# KiCad board signalmesh.kicad_pcb
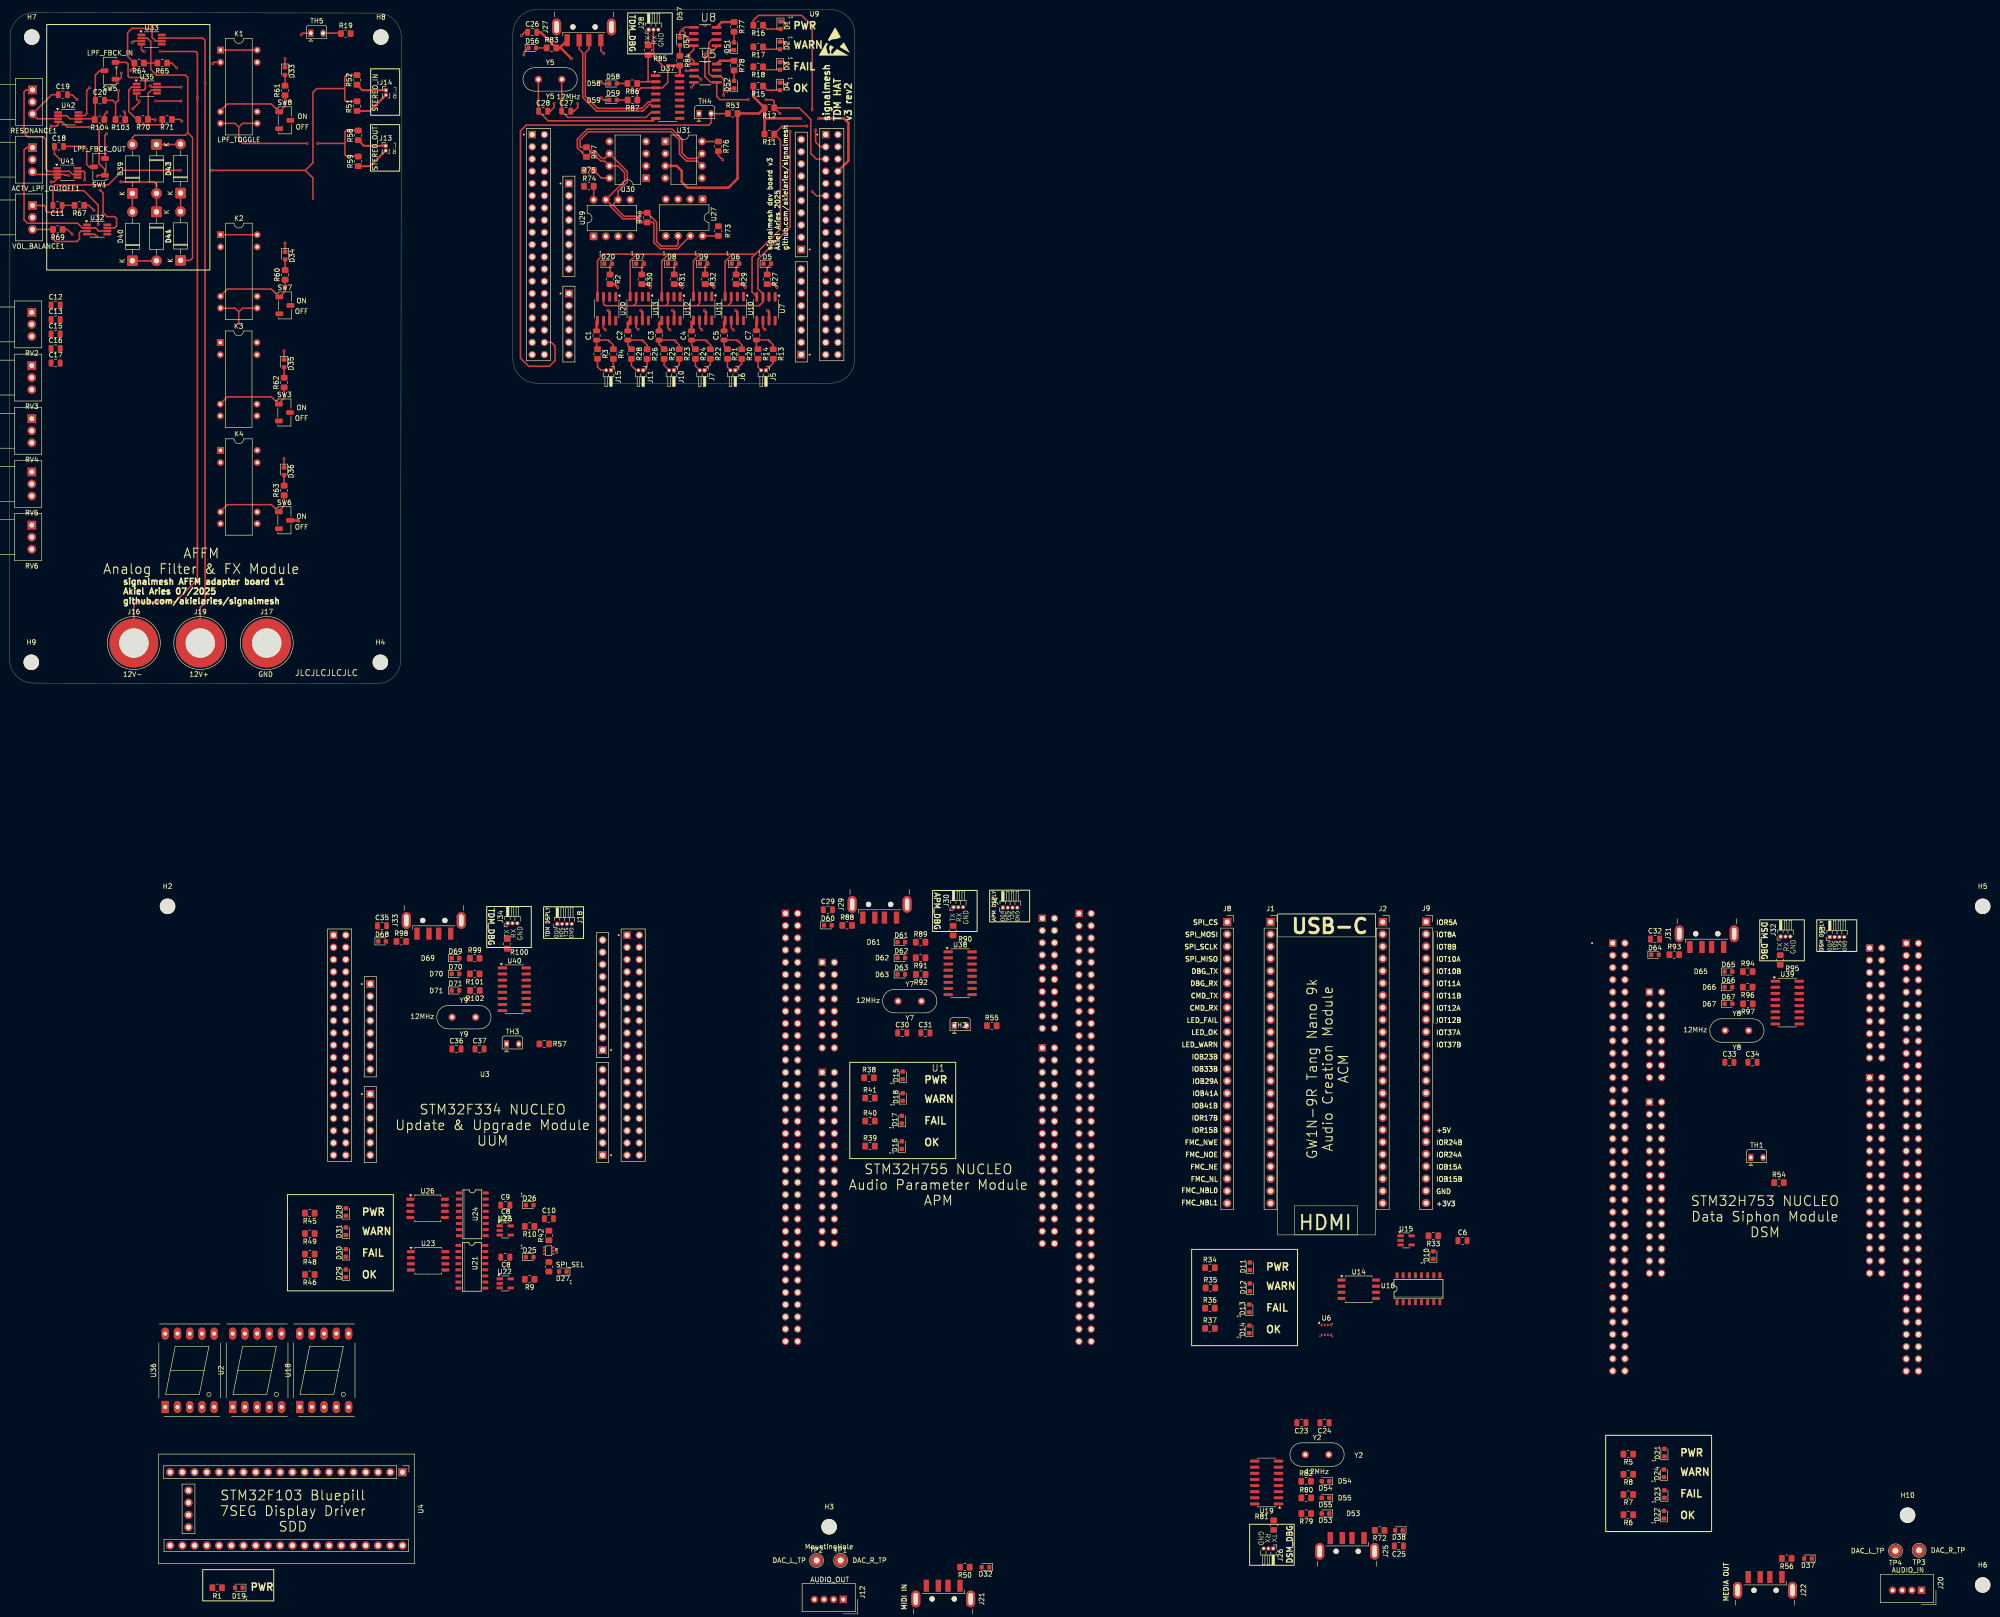
[diagram p0: board, top side]
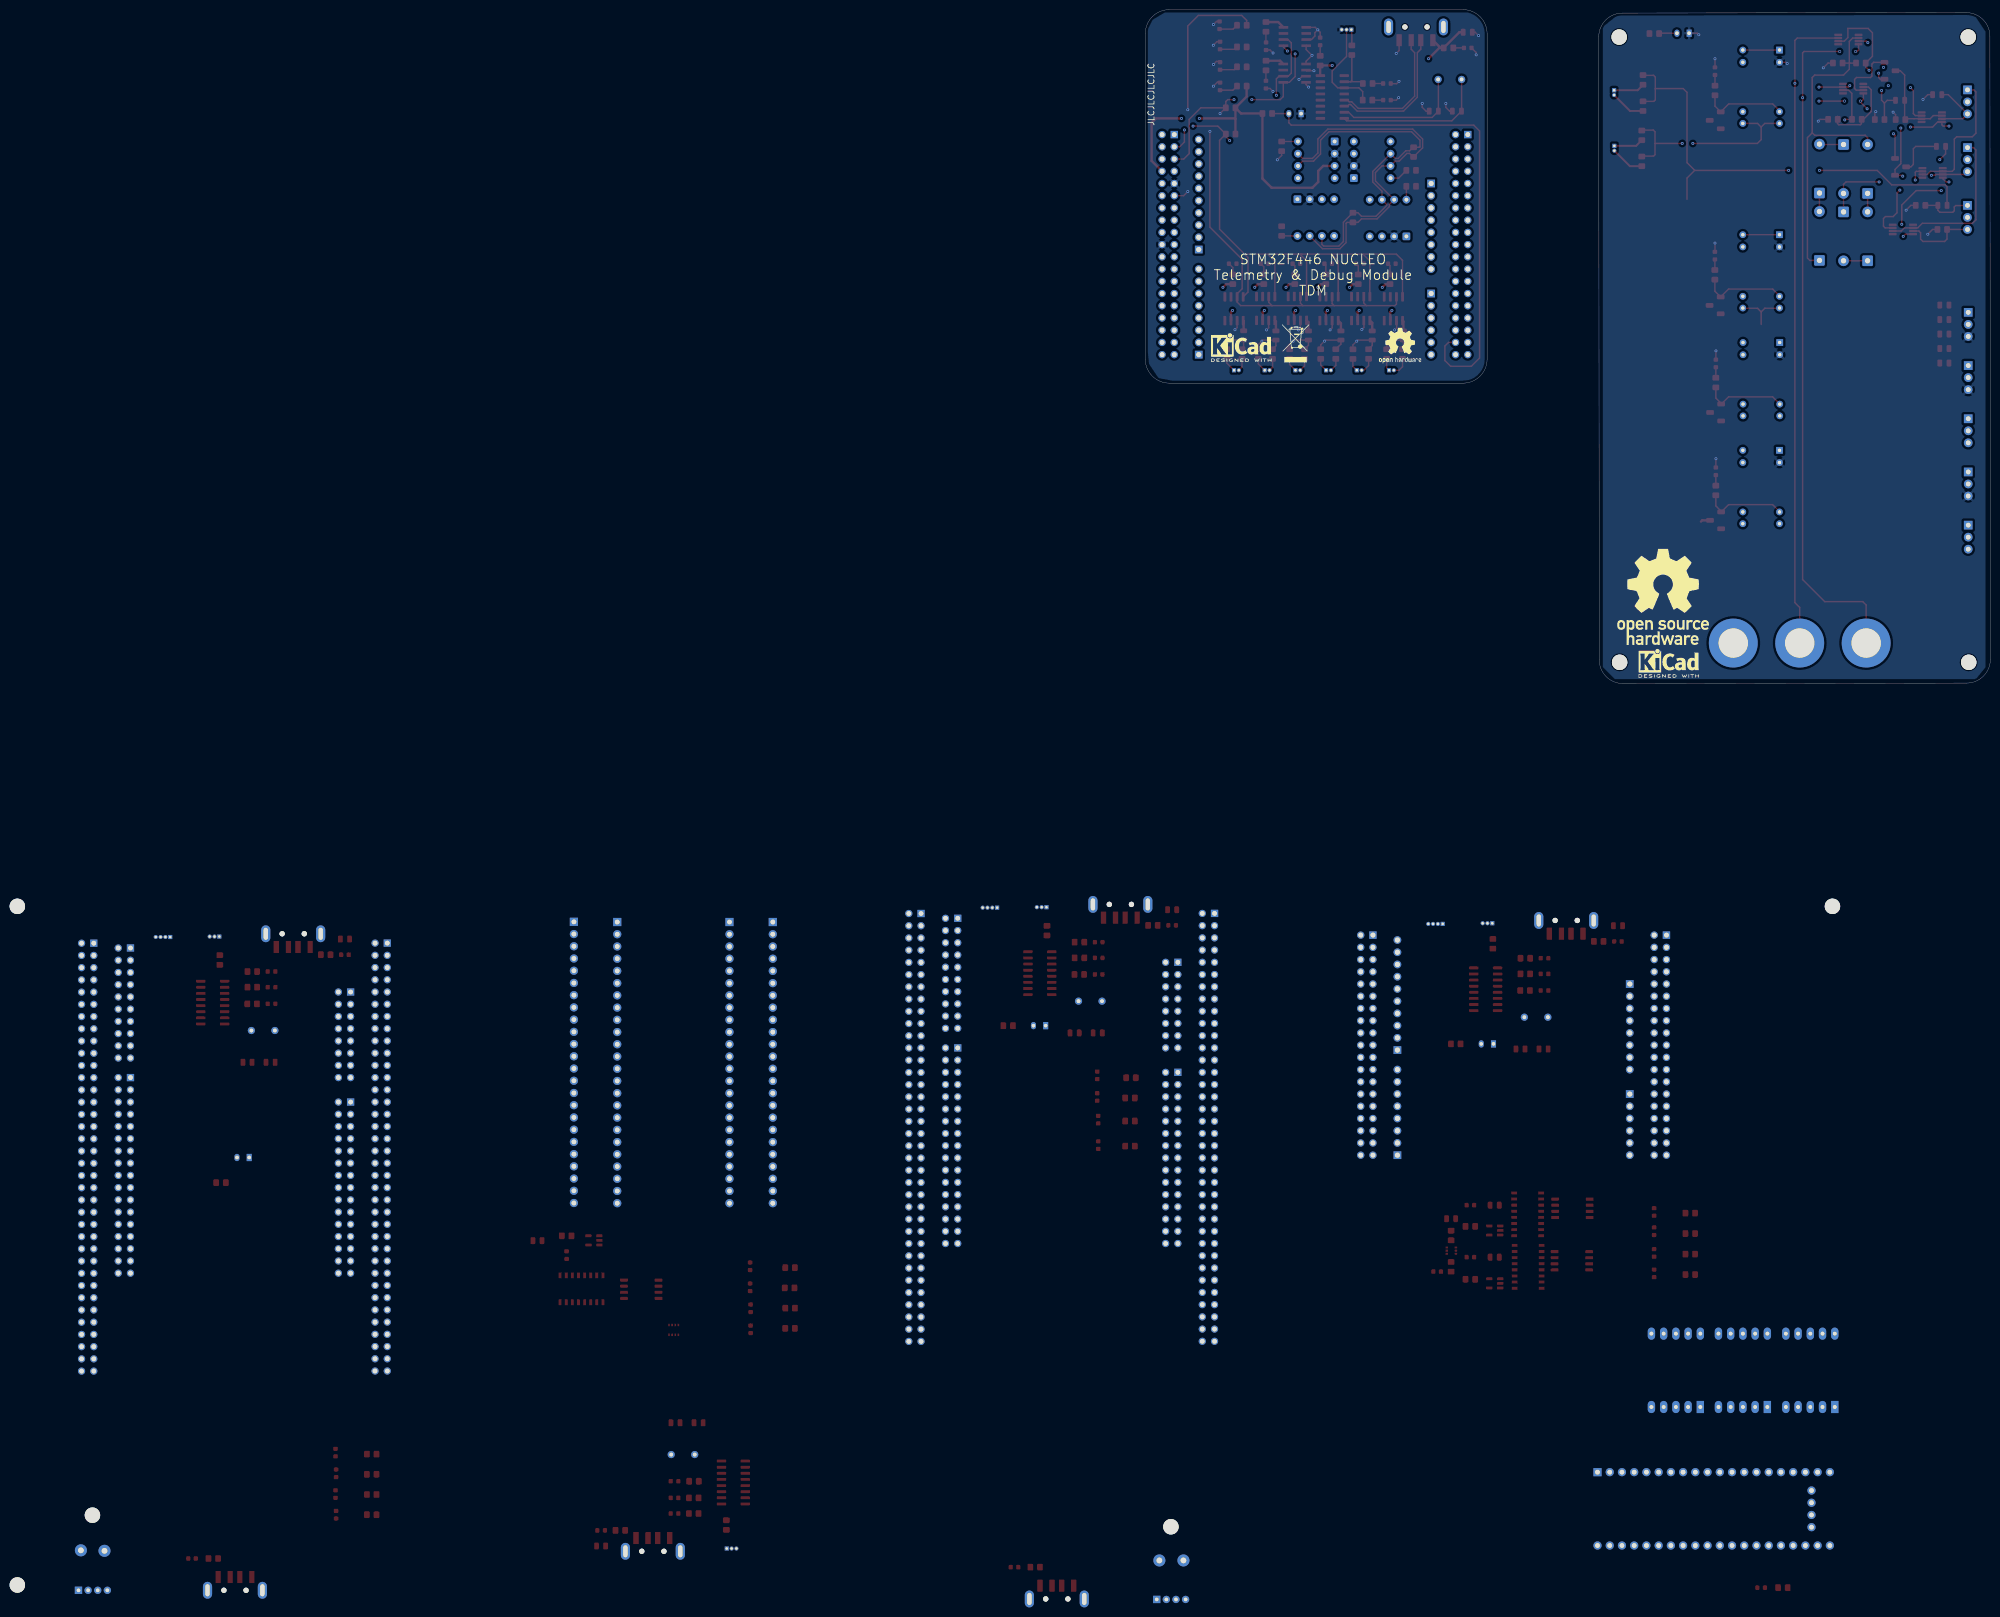
[diagram p1: board, bottom side, seen from below]

Outline 175.53 x 140.01 mm; copper layers: Top, In1.Cu, In2.Cu, Bottom. Coordinates in mm from the lower left corner of the outline.
Outline path: 0.1,134.47 arc(1.5,137.91) 4.91,139.39 76.41,139.3 arc(79.86,137.89) 81.34,134.48 81.24,4.93 arc(79.84,1.48) 76.43,0 4.93,0.1 arc(1.48,1.5) 0,4.91 0.1,134.47 ; 104.53,135.01 104.53,67.39 arc(105.99,63.87) 109.51,62.41 170.51,62.41 arc(174.06,63.87) 175.53,67.41 175.53,135.01 arc(174.07,138.55) 170.53,140.01 109.53,140.01 arc(105.99,138.55) 104.53,135.01
Stack: Top 0.035mm / dielectric 0.1mm FR4 er 4.5 / In1.Cu 0.035mm / dielectric 1.24mm FR4 er 4.5 / In2.Cu 0.035mm / dielectric 0.1mm FR4 er 4.5 / Bottom 0.035mm

## Placement (name value [footprint] x y rotation side)
ACTV_LPF_CUTOFF1  100k  [Potentiometer_Alps_RK09Y11_Single_Horizontal]  4.75 111.34 0 top
C1  0.1uf  [C_0805_2012Metric]  121.9 72.31 90 top
C2  0.1uf  [C_0805_2012Metric]  128.39 72.31 90 top
C3  0.1uf  [C_0805_2012Metric]  134.89 72.31 90 top
C4  0.1uf  [C_0805_2012Metric]  141.64 72.31 90 top
C5  0.1uf  [C_0805_2012Metric]  148.39 72.31 90 top
C6  10uf  [C_0805_2012Metric]  301.76 -115.75 0 top
C7  0.1uf  [C_0805_2012Metric]  155.1 72.34 90 top
C8  10uf  [C_0805_2012Metric]  102.95 -119.18 0 top
C9  10uf  [C_0805_2012Metric]  102.95 -108.38 0 top
C10  0.1uf  [C_0805_2012Metric]  112 -111.18 0 top
C11  1uf  [C_0805_2012Metric]  9.95 99.34 180 top
C12  0.1uf  [C_0805_2012Metric]  9.55 78.63 0 top
C13  0.1uf  [C_0805_2012Metric]  9.55 75.62 0 top
C15  0.1uf  [C_0805_2012Metric]  9.55 72.61 0 top
C16  0.1uf  [C_0805_2012Metric]  9.55 69.6 0 top
C17  0.1uf  [C_0805_2012Metric]  9.55 66.59 0 top
C18  10nf  [C_0805_2012Metric]  10.25 111.59 0 top
C19  10nf  [C_0805_2012Metric]  11.05 122.34 0 top
C20  1uf  [C_0805_2012Metric]  18.75 121.17 0 top
C23  22pf  [C_0805_2012Metric]  268.3 -153.59 180 top
C24  22pf  [C_0805_2012Metric]  273.1 -153.59 180 top
C25  22pf  [C_0805_2012Metric]  288.55 -179.19 180 top
C26  22pf  [C_0805_2012Metric]  108.55 135.31 0 top
C27  22pf  [C_0805_2012Metric]  115.6 118.91 0 top
C28  22pf  [C_0805_2012Metric]  110.8 118.91 0 top
C29  22pf  [C_0805_2012Metric]  169.95 -46.99 0 top
C30  22pf  [C_0805_2012Metric]  185.4 -72.59 0 top
C31  22pf  [C_0805_2012Metric]  190.2 -72.59 0 top
C32  22pf  [C_0805_2012Metric]  341.75 -53.09 0 top
C33  22pf  [C_0805_2012Metric]  357.2 -78.69 0 top
C34  22pf  [C_0805_2012Metric]  362 -78.69 0 top
C35  22pf  [C_0805_2012Metric]  77.35 -50.32 0 top
C36  22pf  [C_0805_2012Metric]  92.8 -75.92 0 top
C37  22pf  [C_0805_2012Metric]  97.6 -75.92 0 top
D1  LED_OK  [LED_0603_1608Metric]  160.1 136.76 270 top
D2  LED_FAIL  [LED_0603_1608Metric]  160 132.56 270 top
D3  LED_WARN  [LED_0603_1608Metric]  160 128.32 270 top
D4  LED_PWR  [LED_0603_1608Metric]  160 124.06 270 top
D5  LED_PWR  [LED_0603_1608Metric]  157.36 87.23 0 top
D6  LED_PWR  [LED_0603_1608Metric]  150.75 87.23 0 top
D7  LED_PWR  [LED_0603_1608Metric]  130.92 87.23 0 top
D8  LED_PWR  [LED_0603_1608Metric]  137.53 87.23 0 top
D9  LED_PWR  [LED_0603_1608Metric]  144.14 87.23 0 top
D10  LED_PWR  [LED_0603_1608Metric]  295.71 -118.75 90 top
D11  LED_PWR  [LED_0603_1608Metric]  257.6 -121.07 90 top
D12  LED_OK  [LED_0603_1608Metric]  257.6 -125.43 90 top
D13  LED_FAIL  [LED_0603_1608Metric]  257.5 -129.8 90 top
D14  LED_WARN  [LED_0603_1608Metric]  257.5 -134.17 90 top
D15  LED_PWR  [LED_0603_1608Metric]  185.5 -81.4 90 top
D16  LED_OK  [LED_0603_1608Metric]  185.3 -95.9 90 top
D17  LED_FAIL  [LED_0603_1608Metric]  185.3 -90.6 90 top
D18  LED_WARN  [LED_0603_1608Metric]  185.5 -85.9 90 top
D19  LED_PWR  [LED_0603_1608Metric]  47.61 -187.85 180 top
D20  LED_PWR  [LED_0603_1608Metric]  124.31 87.23 0 top
D21  LED_PWR  [LED_0603_1608Metric]  343.7 -159.79 90 top
D22  LED_OK  [LED_0603_1608Metric]  343.6 -172.69 90 top
D23  LED_FAIL  [LED_0603_1608Metric]  343.7 -168.39 90 top
D24  LED_WARN  [LED_0603_1608Metric]  343.6 -164.09 90 top
D25  LED_PWR  [LED_0603_1608Metric]  108 -119.18 0 top
D26  LED_PWR  [LED_0603_1608Metric]  108 -108.38 0 top
D27  SPI_SEL  [LED_0603_1608Metric]  114.9 -122.18 180 top
D28  LED_PWR  [LED_0603_1608Metric]  69.84 -109.79 90 top
D29  LED_OK  [LED_0603_1608Metric]  69.84 -122.54 90 top
D30  LED_FAIL  [LED_0603_1608Metric]  69.84 -118.29 90 top
D31  LED_WARN  [LED_0603_1608Metric]  69.84 -113.79 90 top
D32  LED_PWR  [LED_0603_1608Metric]  202.69 -183.59 180 top
D33  LPF_ON  [LED_0603_1608Metric]  57.2 127.22 270 top
D34  HPF_ON  [LED_0603_1608Metric]  57.22 88.9 270 top
D35  BPF_ON  [LED_0603_1608Metric]  57.02 66.5 270 top
D36  BSF_ON  [LED_0603_1608Metric]  57.02 44.1 270 top
D37  LED_PWR  [LED_0603_1608Metric]  373.52 -181.79 180 top
D38  LED_PWR  [LED_0603_1608Metric]  288.55 -175.94 180 top
D39  1N4001  [D_DO-41_SOD81_P10.16mm_Horizontal]  25.5 101.83 90 top
D40  1N4001  [D_DO-41_SOD81_P10.16mm_Horizontal]  25.5 87.83 90 top
D41  1N4001  [D_DO-41_SOD81_P10.16mm_Horizontal]  30.5 97.99 270 top
D42  1N4001  [D_DO-41_SOD81_P10.16mm_Horizontal]  30.5 111.99 270 top
D43  1N4001  [D_DO-41_SOD81_P10.16mm_Horizontal]  35.5 101.91 90 top
D44  1N4001  [D_DO-41_SOD81_P10.16mm_Horizontal]  35.5 87.91 90 top
D51  LED_PWR  [LED_0603_1608Metric]  150.44 132.41 90 top
D52  LED_PWR  [LED_0603_1608Metric]  150.46 124.43 90 top
D53  LED_PWR  [LED_0603_1608Metric]  273.3 -172.44 180 top
D54  RXD  [LED_0603_1608Metric]  273.3 -165.74 180 top
D55  TXD  [LED_0603_1608Metric]  273.3 -169.19 180 top
D56  LED_PWR  [LED_0603_1608Metric]  108.55 132.06 0 top
D57  LED_PWR  [LED_0603_1608Metric]  139.2 133.41 270 top
D58  TXD  [LED_0603_1608Metric]  125.33 124.66 0 top
D59  RXD  [LED_0603_1608Metric]  125.33 121.21 0 top
D60  LED_PWR  [LED_0603_1608Metric]  169.95 -50.24 0 top
D61  LED_PWR  [LED_0603_1608Metric]  185.2 -53.74 0 top
D62  TXD  [LED_0603_1608Metric]  185.2 -56.99 0 top
D63  RXD  [LED_0603_1608Metric]  185.2 -60.44 0 top
D64  LED_PWR  [LED_0603_1608Metric]  341.75 -56.34 0 top
D65  LED_PWR  [LED_0603_1608Metric]  357 -59.84 0 top
D66  TXD  [LED_0603_1608Metric]  357 -63.09 0 top
D67  RXD  [LED_0603_1608Metric]  357 -66.54 0 top
D68  LED_PWR  [LED_0603_1608Metric]  77.35 -53.57 0 top
D69  LED_PWR  [LED_0603_1608Metric]  92.6 -57.07 0 top
D70  TXD  [LED_0603_1608Metric]  92.6 -60.32 0 top
D71  RXD  [LED_0603_1608Metric]  92.6 -63.77 0 top
H2  MountingHole  [MountingHole_3.2mm_M3]  32.8 -46.29 0 top
H3  MountingHole  [MountingHole_3.2mm_M3]  170.2 -175.19 0 top
H4  MountingHole  [MountingHole_3.2mm_M3]  77 4.41 0 top
H5  MountingHole  [MountingHole_3.2mm_M3]  409.8 -46.29 0 top
H6  MountingHole  [MountingHole_3.2mm_M3]  409.8 -187.29 0 top
H7  MountingHole  [MountingHole_3.2mm_M3]  4.6 134.31 0 top
H8  MountingHole  [MountingHole_3.2mm_M3]  77.1 134.31 0 top
H9  MountingHole  [MountingHole_3.2mm_M3]  4.5 4.41 0 top
H10  MountingHole  [MountingHole_3.2mm_M3]  394.2 -172.79 0 top
J1  FPGA I/O  [PinSocket_1x24_P2.54mm_Vertical]  261.89 -49.55 0 top
J2  FPGA I/O  [PinSocket_1x24_P2.54mm_Vertical]  285.2 -49.55 0 top
J3  LCD_display  [PinHeader_1x04_P1.00mm_Horizontal]  378.05 -52.66 90 top
J4  LCD_display  [PinHeader_1x04_P1.00mm_Horizontal]  206.3 -46.56 90 top
J5  INA219_CONFIG  [PinHeader_1x02_P1.00mm_Horizontal]  157.09 65.09 270 top
J6  INA219_CONFIG  [PinHeader_1x02_P1.00mm_Horizontal]  150.72 65.09 270 top
J7  INA219_CONFIG  [PinHeader_1x02_P1.00mm_Horizontal]  144.34 65.09 270 top
J8  FPGA I/O  [PinSocket_1x24_P2.54mm_Vertical]  252.89 -49.55 0 top
J9  FPGA I/O  [PinSocket_1x24_P2.54mm_Vertical]  294.2 -49.51 0 top
J10  INA219_CONFIG  [PinHeader_1x02_P1.00mm_Horizontal]  137.97 65.09 270 top
J11  INA219_CONFIG  [PinHeader_1x02_P1.00mm_Horizontal]  131.59 65.09 270 top
J12  AUDIO_OUT  [NS-Tech_Grove_1x04_P2mm_Vertical]  173.15 -190.29 270 top
J13  STEREO_OUT  [PinHeader_1x02_P1.00mm_Vertical]  78.1 111.71 0 top
J14  STEREO_IN  [PinHeader_1x02_P1.00mm_Vertical]  78.15 123.26 0 top
J15  INA219_CONFIG  [PinHeader_1x02_P1.00mm_Horizontal]  124.9 65.09 270 top
J16  12V-  [Banana_Jack_1Pin]  25.8 8.41 0 top
J17  GND  [Banana_Jack_1Pin]  53.4 8.41 0 top
J18  LCD_display  [PinHeader_1x04_P1.00mm_Horizontal]  113.75 -49.94 90 top
J19  12V+  [Banana_Jack_1Pin]  39.6 8.41 0 top
J20  AUDIO_IN  [NS-Tech_Grove_1x04_P2mm_Vertical]  397.1 -188.39 270 top
J21  USB_A  [USB_A_CNCTech_1001-011-01101_Horizontal]  193.9 -197.09 270 top
J22  USB_A  [USB_A_CNCTech_1001-011-01101_Horizontal]  364.6 -195.29 270 top
J25  USB_A  [USB_A_CNCTech_1001-011-01101_Horizontal]  277.8 -187.19 270 top
J26  UART_DEBUG  [PinHeader_1x03_P1.00mm_Horizontal]  262.45 -179.71 270 top
J27  USB_A  [USB_A_CNCTech_1001-011-01101_Horizontal]  119.3 143.31 90 top
J28  UART_DEBUG  [PinHeader_1x03_P1.00mm_Horizontal]  132.72 135.85 90 top
J29  USB_A  [USB_A_CNCTech_1001-011-01101_Horizontal]  180.7 -38.99 90 top
J30  UART_DEBUG  [PinHeader_1x03_P1.00mm_Horizontal]  196.05 -46.47 90 top
J31  USB_A  [USB_A_CNCTech_1001-011-01101_Horizontal]  352.5 -45.09 90 top
J32  UART_DEBUG  [PinHeader_1x03_P1.00mm_Horizontal]  367.85 -52.57 90 top
J33  USB_A  [USB_A_CNCTech_1001-011-01101_Horizontal]  88.1 -42.32 90 top
J34  UART_DEBUG  [PinHeader_1x03_P1.00mm_Horizontal]  103.45 -49.8 90 top
K1  LPF_TOGGLE  [Relay_StandexMeder_DIP_LowProfile]  43.8 131.61 0 top
K2  DIPxx-1Axx-11x  [Relay_StandexMeder_DIP_LowProfile]  43.8 93.25 0 top
K3  DIPxx-1Axx-11x  [Relay_StandexMeder_DIP_LowProfile]  43.75 70.85 0 top
K4  DIPxx-1Axx-11x  [Relay_StandexMeder_DIP_LowProfile]  43.8 48.45 0 top
KiCAD_logo  -  [KiCad-Logo2_5mm_SilkScreen]  155.6 69.81 180 bottom
KiCAD_logo#2  -  [KiCad-Logo2_5mm_SilkScreen]  66.8 4.21 180 bottom
OSHW  -  [OSHW-Logo_19x20mm_SilkScreen]  68 18.01 180 bottom
R1  300  [R_0805_2012Metric_Pad1.20x1.40mm_HandSolder]  43.11 -187.85 180 top
R2  300  [R_0805_2012Metric_Pad1.20x1.40mm_HandSolder]  124.7 83.98 270 top
R3  10k  [R_0805_2012Metric_Pad1.20x1.40mm_HandSolder]  122.1 68.46 270 top
R4  10k  [R_0805_2012Metric_Pad1.20x1.40mm_HandSolder]  125.4 68.46 270 top
R5  300  [R_0805_2012Metric_Pad1.20x1.40mm_HandSolder]  336.2 -160.09 180 top
R6  300  [R_0805_2012Metric_Pad1.20x1.40mm_HandSolder]  336.2 -172.69 180 top
R7  300  [R_0805_2012Metric_Pad1.20x1.40mm_HandSolder]  336.2 -168.49 180 top
R8  300  [R_0805_2012Metric_Pad1.20x1.40mm_HandSolder]  336.2 -164.29 180 top
R9  300  [R_0805_2012Metric_Pad1.20x1.40mm_HandSolder]  108 -123.78 180 top
R10  300  [R_0805_2012Metric_Pad1.20x1.40mm_HandSolder]  108 -112.78 180 top
R11  4.7k  [R_0805_2012Metric_Pad1.20x1.40mm_HandSolder]  157.8 114.15 180 top
R12  4.7k  [R_0805_2012Metric_Pad1.20x1.40mm_HandSolder]  157.8 119.61 180 top
R13  10k  [R_0805_2012Metric_Pad1.20x1.40mm_HandSolder]  158.59 68.46 270 top
R14  10k  [R_0805_2012Metric_Pad1.20x1.40mm_HandSolder]  155.43 68.46 270 top
R15  300  [R_0805_2012Metric_Pad1.20x1.40mm_HandSolder]  155.47 124.12 180 top
R16  300  [R_0805_2012Metric_Pad1.20x1.40mm_HandSolder]  155.47 136.76 180 top
R17  300  [R_0805_2012Metric_Pad1.20x1.40mm_HandSolder]  155.47 132.26 180 top
R18  300  [R_0805_2012Metric_Pad1.20x1.40mm_HandSolder]  155.47 128.12 180 top
R19  10k  [R_0805_2012Metric_Pad1.20x1.40mm_HandSolder]  69.81 135.03 0 top
R20  10k  [R_0805_2012Metric_Pad1.20x1.40mm_HandSolder]  152.04 68.46 270 top
R21  10k  [R_0805_2012Metric_Pad1.20x1.40mm_HandSolder]  149.09 68.46 270 top
R22  10k  [R_0805_2012Metric_Pad1.20x1.40mm_HandSolder]  145.54 68.46 270 top
R23  10k  [R_0805_2012Metric_Pad1.20x1.40mm_HandSolder]  139.09 68.46 270 top
R24  10k  [R_0805_2012Metric_Pad1.20x1.40mm_HandSolder]  142.44 68.46 270 top
R25  10k  [R_0805_2012Metric_Pad1.20x1.40mm_HandSolder]  135.94 68.46 270 top
R26  10k  [R_0805_2012Metric_Pad1.20x1.40mm_HandSolder]  132.4 68.44 270 top
R27  300  [R_0805_2012Metric_Pad1.20x1.40mm_HandSolder]  157.34 83.98 270 top
R28  10k  [R_0805_2012Metric_Pad1.20x1.40mm_HandSolder]  129.14 68.46 270 top
R29  300  [R_0805_2012Metric_Pad1.20x1.40mm_HandSolder]  150.91 83.98 270 top
R30  300  [R_0805_2012Metric_Pad1.20x1.40mm_HandSolder]  131.29 83.98 270 top
R31  300  [R_0805_2012Metric_Pad1.20x1.40mm_HandSolder]  138.03 83.98 270 top
R32  300  [R_0805_2012Metric_Pad1.20x1.40mm_HandSolder]  144.47 83.98 270 top
R33  300  [R_0805_2012Metric_Pad1.20x1.40mm_HandSolder]  295.71 -114.75 180 top
R34  300  [R_0805_2012Metric_Pad1.20x1.40mm_HandSolder]  249.3 -121.37 0 top
R35  300  [R_0805_2012Metric_Pad1.20x1.40mm_HandSolder]  249.4 -125.57 0 top
R36  300  [R_0805_2012Metric_Pad1.20x1.40mm_HandSolder]  249.3 -129.77 0 top
R37  300  [R_0805_2012Metric_Pad1.20x1.40mm_HandSolder]  249.3 -133.97 0 top
R38  300  [R_0805_2012Metric_Pad1.20x1.40mm_HandSolder]  178.5 -81.9 0 top
R39  300  [R_0805_2012Metric_Pad1.20x1.40mm_HandSolder]  178.7 -96.1 0 top
R40  300  [R_0805_2012Metric_Pad1.20x1.40mm_HandSolder]  178.7 -90.9 0 top
R41  300  [R_0805_2012Metric_Pad1.20x1.40mm_HandSolder]  178.7 -86.1 0 top
R42  100  [R_0805_2012Metric_Pad1.20x1.40mm_HandSolder]  112 -114.68 90 top
R43  300  [R_0805_2012Metric_Pad1.20x1.40mm_HandSolder]  112 -121.18 270 top
R44  120  [R_0805_2012Metric_Pad1.20x1.40mm_HandSolder]  132.4 96.81 90 top
R45  300  [R_0805_2012Metric_Pad1.20x1.40mm_HandSolder]  62.34 -110.04 180 top
R46  300  [R_0805_2012Metric_Pad1.20x1.40mm_HandSolder]  62.34 -122.79 180 top
R47  120  [R_0805_2012Metric_Pad1.20x1.40mm_HandSolder]  119.8 110.41 270 top
R48  300  [R_0805_2012Metric_Pad1.20x1.40mm_HandSolder]  62.34 -118.54 180 top
R49  300  [R_0805_2012Metric_Pad1.20x1.40mm_HandSolder]  62.34 -114.29 180 top
R50  300  [R_0805_2012Metric_Pad1.20x1.40mm_HandSolder]  198.4 -183.59 180 top
R51  10K  [R_0805_2012Metric_Pad1.20x1.40mm_HandSolder]  72.15 119.96 90 top
R52  10K  [R_0805_2012Metric_Pad1.20x1.40mm_HandSolder]  72.15 125.41 90 top
R53  10k  [R_0805_2012Metric_Pad1.20x1.40mm_HandSolder]  150.19 118.43 0 top
R54  10k  [R_0805_2012Metric_Pad1.20x1.40mm_HandSolder]  367.5 -103.69 0 top
R55  10k  [R_0805_2012Metric_Pad1.20x1.40mm_HandSolder]  204 -71.09 0 top
R56  300  [R_0805_2012Metric_Pad1.20x1.40mm_HandSolder]  369.1 -181.79 180 top
R57  10k  [R_0805_2012Metric_Pad1.20x1.40mm_HandSolder]  111.04 -74.87 0 top
R58  1K  [R_0805_2012Metric_Pad1.20x1.40mm_HandSolder]  72.4 113.89 90 top
R59  1K  [R_0805_2012Metric_Pad1.20x1.40mm_HandSolder]  72.4 108.49 90 top
R60  300  [R_0805_2012Metric_Pad1.20x1.40mm_HandSolder]  57.22 84.91 90 top
R61  300  [R_0805_2012Metric_Pad1.20x1.40mm_HandSolder]  57.2 123.21 90 top
R62  300  [R_0805_2012Metric_Pad1.20x1.40mm_HandSolder]  57.02 62.52 90 top
R63  300  [R_0805_2012Metric_Pad1.20x1.40mm_HandSolder]  57.02 40.11 90 top
R64  10k  [R_0805_2012Metric_Pad1.20x1.40mm_HandSolder]  26.9 128.91 180 top
R65  6k8  [R_0805_2012Metric_Pad1.20x1.40mm_HandSolder]  31.7 128.91 180 top
R67  200k  [R_0805_2012Metric_Pad1.20x1.40mm_HandSolder]  14.5 99.34 180 top
R69  33k  [R_0805_2012Metric_Pad1.20x1.40mm_HandSolder]  10 94.34 180 top
R70  10k  [R_0805_2012Metric_Pad1.20x1.40mm_HandSolder]  27.73 117.21 180 top
R71  6k8  [R_0805_2012Metric_Pad1.20x1.40mm_HandSolder]  32.7 117.21 180 top
R72  300  [R_0805_2012Metric_Pad1.20x1.40mm_HandSolder]  284.55 -175.94 180 top
R73  10k  [R_0805_2012Metric_Pad1.20x1.40mm_HandSolder]  147.2 94.01 90 top
R74  10k  [R_0805_2012Metric_Pad1.20x1.40mm_HandSolder]  120.3 103.31 180 top
R75  10k  [R_0805_2012Metric_Pad1.20x1.40mm_HandSolder]  120.3 106.61 180 top
R76  10k  [R_0805_2012Metric_Pad1.20x1.40mm_HandSolder]  147.2 111.61 270 top
R77  300  [R_0805_2012Metric_Pad1.20x1.40mm_HandSolder]  150.46 136.43 270 top
R78  300  [R_0805_2012Metric_Pad1.20x1.40mm_HandSolder]  150.45 128.39 270 top
R79  300  [R_0805_2012Metric_Pad1.20x1.40mm_HandSolder]  269.3 -172.44 180 top
R80  300  [R_0805_2012Metric_Pad1.20x1.40mm_HandSolder]  269.3 -169.19 0 top
R81  1k5  [R_0805_2012Metric_Pad1.20x1.40mm_HandSolder]  262.55 -174.84 90 top
R82  300  [R_0805_2012Metric_Pad1.20x1.40mm_HandSolder]  269.26 -165.74 0 top
R83  300  [R_0805_2012Metric_Pad1.20x1.40mm_HandSolder]  112.55 132.06 0 top
R84  300  [R_0805_2012Metric_Pad1.20x1.40mm_HandSolder]  139.2 129.41 270 top
R85  1k5  [R_0805_2012Metric_Pad1.20x1.40mm_HandSolder]  132.62 131.58 270 top
R86  300  [R_0805_2012Metric_Pad1.20x1.40mm_HandSolder]  129.33 124.66 180 top
R87  300  [R_0805_2012Metric_Pad1.20x1.40mm_HandSolder]  129.37 121.21 180 top
R88  300  [R_0805_2012Metric_Pad1.20x1.40mm_HandSolder]  173.95 -50.24 0 top
R89  300  [R_0805_2012Metric_Pad1.20x1.40mm_HandSolder]  189.2 -53.74 0 top
R90  1k5  [R_0805_2012Metric_Pad1.20x1.40mm_HandSolder]  195.95 -51.34 270 top
R91  300  [R_0805_2012Metric_Pad1.20x1.40mm_HandSolder]  189.2 -56.99 180 top
R92  300  [R_0805_2012Metric_Pad1.20x1.40mm_HandSolder]  189.24 -60.44 180 top
R93  300  [R_0805_2012Metric_Pad1.20x1.40mm_HandSolder]  345.75 -56.34 0 top
R94  300  [R_0805_2012Metric_Pad1.20x1.40mm_HandSolder]  361 -59.84 0 top
R95  1k5  [R_0805_2012Metric_Pad1.20x1.40mm_HandSolder]  367.75 -57.44 270 top
R96  300  [R_0805_2012Metric_Pad1.20x1.40mm_HandSolder]  361 -63.09 180 top
R97  300  [R_0805_2012Metric_Pad1.20x1.40mm_HandSolder]  361.04 -66.54 180 top
R98  300  [R_0805_2012Metric_Pad1.20x1.40mm_HandSolder]  81.35 -53.57 0 top
R99  300  [R_0805_2012Metric_Pad1.20x1.40mm_HandSolder]  96.6 -57.07 0 top
R100  1k5  [R_0805_2012Metric_Pad1.20x1.40mm_HandSolder]  103.35 -54.07 270 top
R101  300  [R_0805_2012Metric_Pad1.20x1.40mm_HandSolder]  96.6 -60.32 180 top
R102  300  [R_0805_2012Metric_Pad1.20x1.40mm_HandSolder]  96.64 -63.78 180 top
R103  200k  [R_0805_2012Metric_Pad1.20x1.40mm_HandSolder]  23 117.17 180 top
R104  100K  [R_0805_2012Metric_Pad1.20x1.40mm_HandSolder]  18.67 117.17 180 top
REF**  -  [ESD-Logo_6.6x6mm_SilkScreen]  171.3 133.41 0 top
REF**#2  -  [WEEE-Logo_5.6x8mm_SilkScreen]  144.3 70.71 180 bottom
REF**#3  -  [OSHW-Logo2_9.8x8mm_SilkScreen]  122.6 70.21 180 bottom
RESONANCE1  100k  [Potentiometer_Alps_RK09Y11_Single_Horizontal]  4.75 123.34 0 top
RV2  100k  [Potentiometer_Alps_RK09Y11_Single_Horizontal]  4.6 77.11 0 top
RV3  100k  [Potentiometer_Alps_RK09Y11_Single_Horizontal]  4.6 66.06 0 top
RV4  100k  [Potentiometer_Alps_RK09Y11_Single_Horizontal]  4.6 55.01 0 top
RV5  100k  [Potentiometer_Alps_RK09Y11_Single_Horizontal]  4.6 43.96 0 top
RV6  100k  [Potentiometer_Alps_RK09Y11_Single_Horizontal]  4.6 32.91 0 top
SW1  LPF_FBCK_OUT  [Nidec_Copal_CAS-120A]  18.65 107.34 180 top
SW3  BPF_TOGGLE  [Nidec_Copal_CAS-120A]  57.07 56.31 0 top
SW5  LPF_FBCK_IN  [Nidec_Copal_CAS-120A]  20.85 127.31 180 top
SW6  BSF_TOGGLE  [Nidec_Copal_CAS-120A]  57.07 33.91 0 top
SW7  HPF_TOGGLE  [Nidec_Copal_CAS-120A]  57.17 78.56 0 top
SW8  LPF_TOGGLE  [Nidec_Copal_CAS-120A]  57.15 117.01 0 top
TH1  10k  [Heraeus_TO-92-2]  361.64 -98.47 0 top
TH2  10k  [Heraeus_TO-92-2]  196.21 -71.07 0 top
TH3  10k  [Heraeus_TO-92-2]  103.2 -74.87 0 top
TH4  10k  [Heraeus_TO-92-2]  143.16 118.41 0 top
TH5  10k  [Heraeus_TO-92-2]  62.56 135.11 0 top
TP1  DAC_R_TP  [TestPoint_THTPad_D2.5mm_Drill1.2mm]  172.6 -182.19 0 top